# KiCad board RCUP_BASE_PCB_2.kicad_pcb (continued)
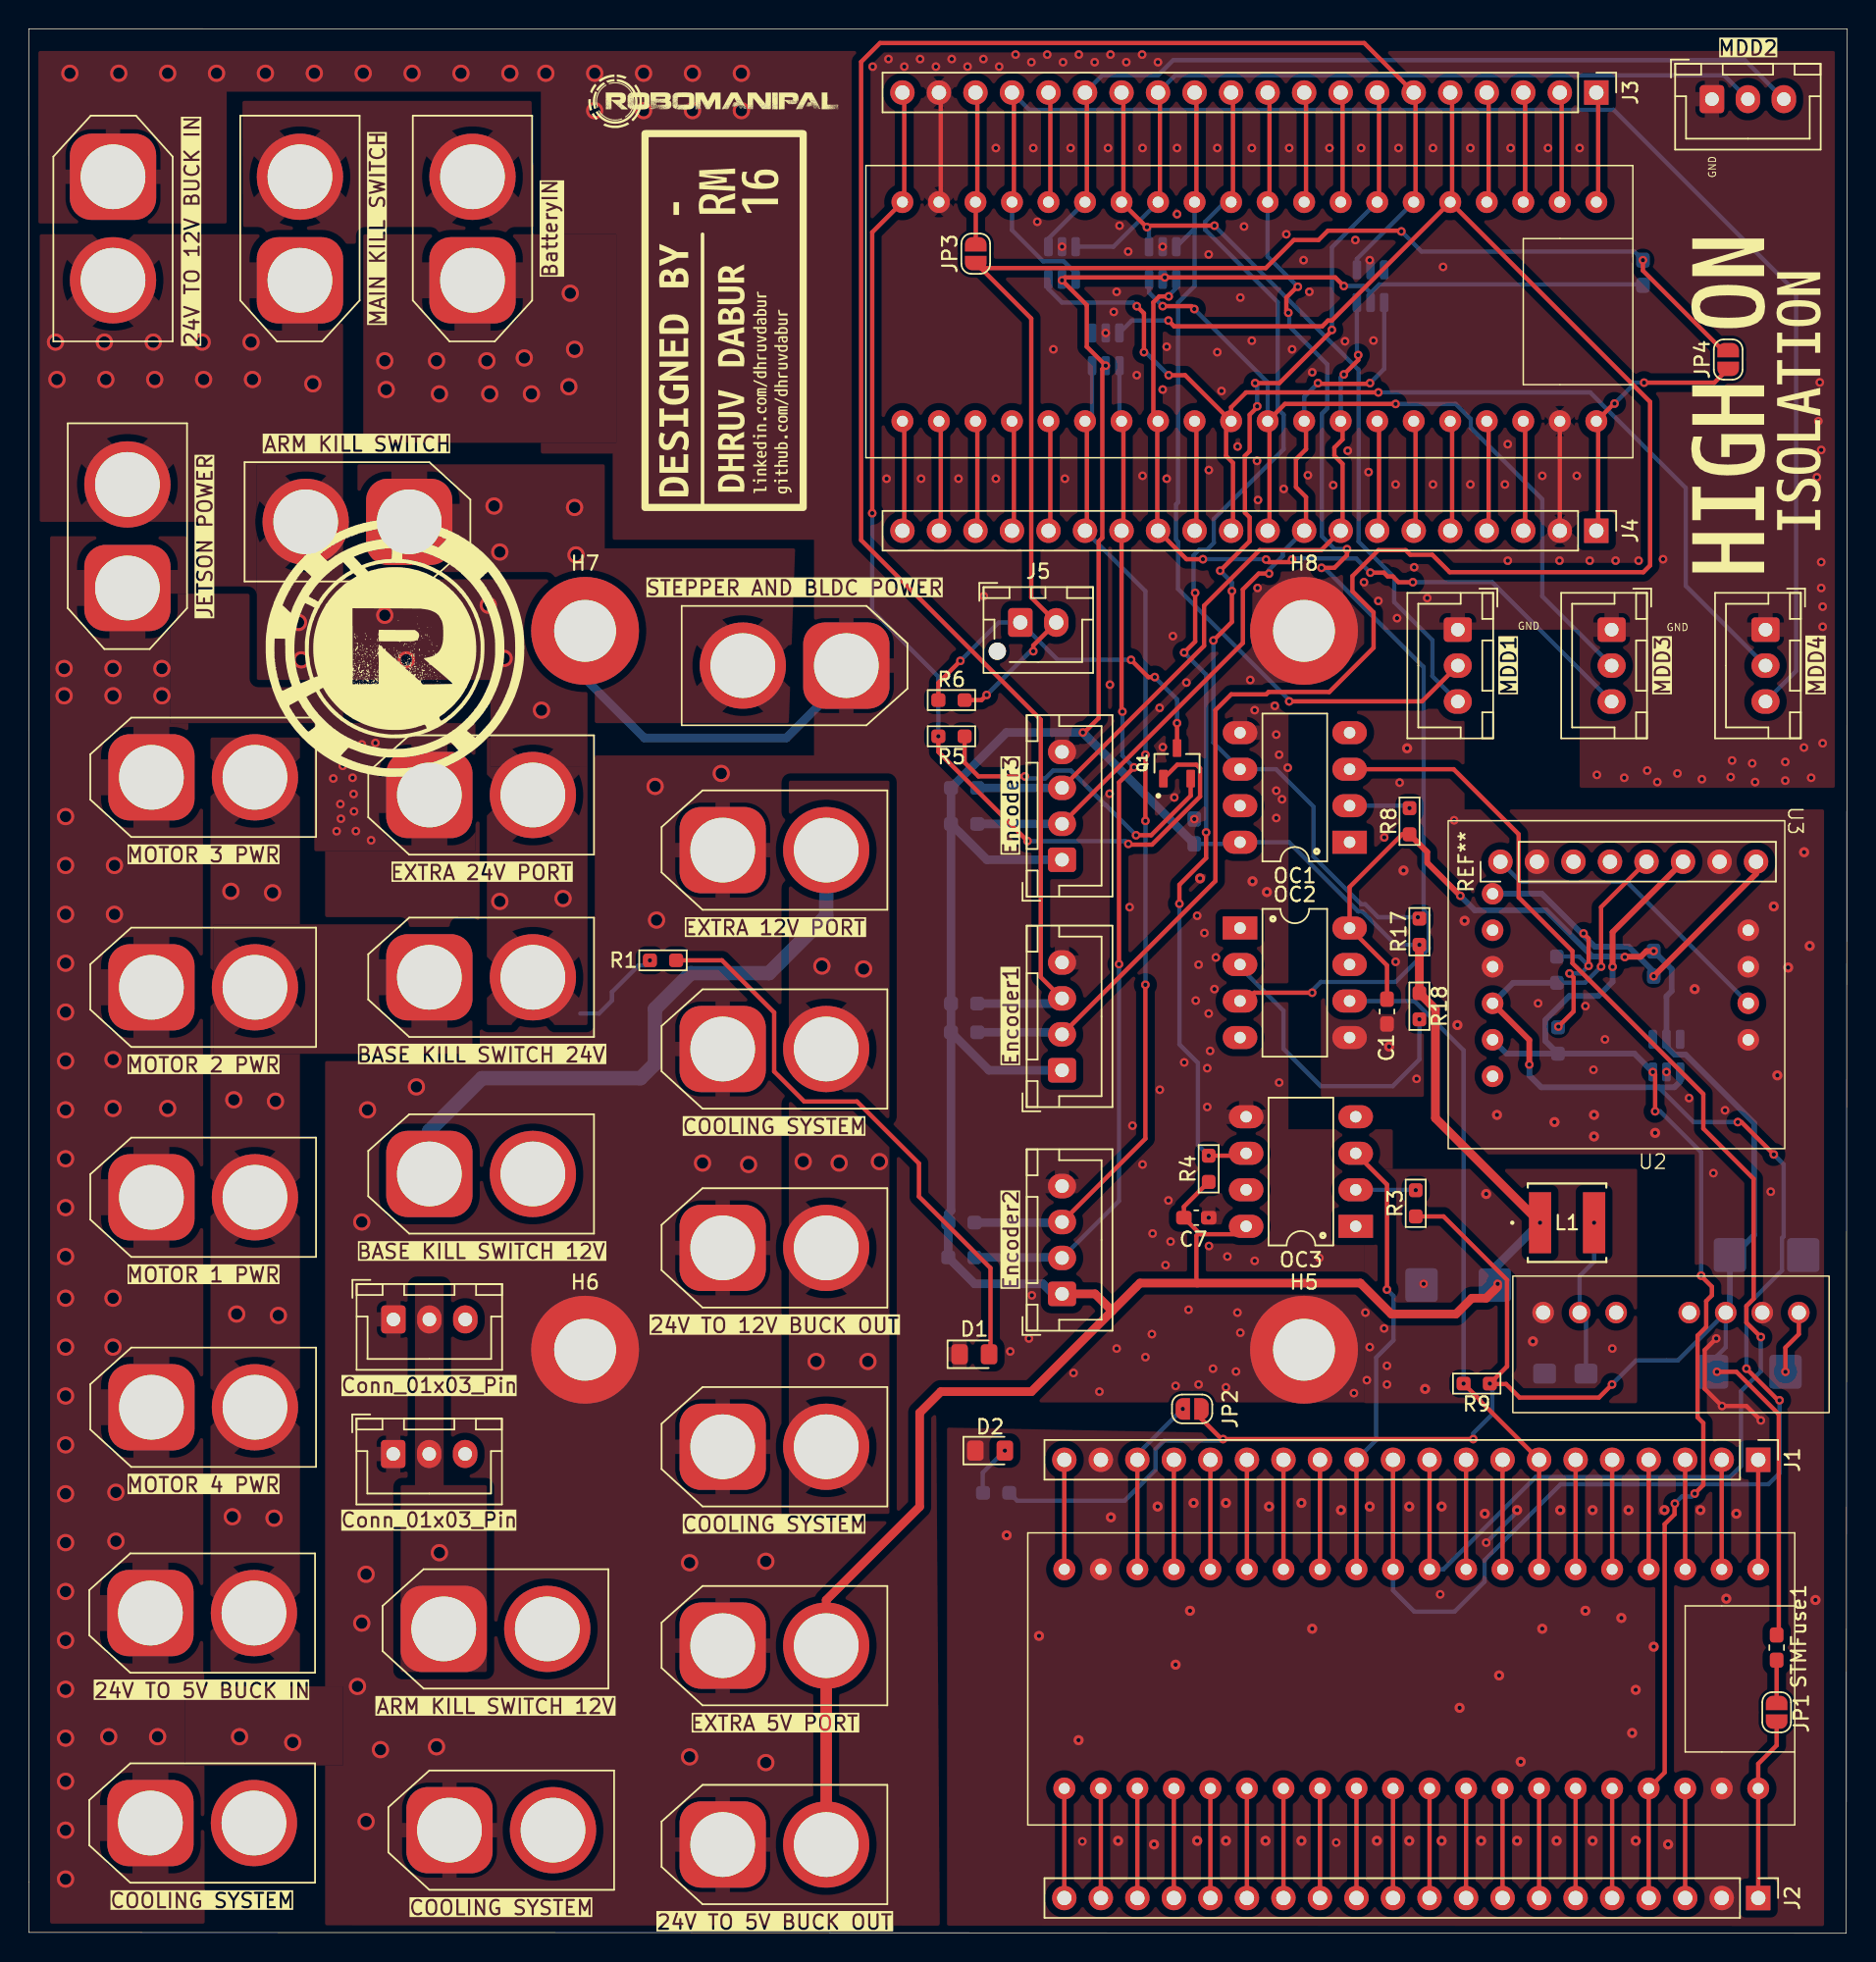
[diagram p0: board, top side]
## Nets
3.3V_STM_1: J2.3 MotorController1.3
3.3V_STM_2: J3.20 MotorController2.40 Q1.1 R5.2
5V: C2.1 C4.1 C7.1 Encoder1.1 Encoder2.1 Encoder3.1 J21.P J28.P L1.1 OC1.8 OC3.8 R4.1 R11.2 R12.2 R13.2 R14.2 R15.2 R16.2 R17.1 R18.1 STMFuse2.1 U5.5 U6.5 U7.5 U8.5
5V_ISO: BNO1.2 C1.1 C3.1 C6.2 JP2.1 OC2.8 R2.1 R3.1 R8.1 R9.1 STMFuse1.2 U2.5 U4.5
5V_ISO_BNO: BNO1.1 R19.2 R20.2 REF**.8 U3.1
5V_ISO_FUSE_OUT: JP1.2 STMFuse1.1
5V_NON_ISO_FUSE_OUT: J5.2 JP3.1 JP4.2 R6.2 STMFuse2.2
12V: J16.P J19.P J20.P J22.P J23.P J25.P J26.P
12V_ARM: J23.N J30.2 J31.2
12V_BASE: J16.N J27.P
24V: J9.P J10.N J17.P J18.P J24.P J29.P R1.1
24V_ARM: J8.P J24.N
24V_BASE: J6.P J7.P J13.P J14.P J15.P J17.N
24V_BATTERY: J10.P J11.P
GND: C2.2 C4.2 C5.2 C7.2 D1.1 Encoder1.4 Encoder2.4 Encoder3.4 H5.1 H6.1 H7.1 H8.1 J3.19 J4.2 J6.N J7.N J8.N J9.N J11.N J13.N J14.N J15.N J18.N J19.N J20.N J21.N J22.N J25.N J26.N J27.N J28.N J29.N J30.1 J31.1 MDD1.1 MDD2.1 MDD3.1 MDD4.1 MotorController2.2 MotorController2.39 OC1.5 OC3.5 U2.1 U5.2 U6.2 U7.2 U8.2
GND1: C1.2 C3.2 D2.1 J1.19 J2.2 MotorController1.2 MotorController1.39 OC2.5 REF**.2 REF**.7 U2.6 U3.3 U3.7 U3.8 U3.10 U4.2
BNO_SCL: J2.4 MotorController1.4 R20.1 REF**.6 U3.5 U4.3
BNO_SDA: J1.11 MotorController1.31 R19.1 REF**.5 U3.4 U4.1
ENC1A: Encoder1.2 J3.5 MotorController2.25 R11.1 U6.3
ENC1B: Encoder1.3 J3.6 MotorController2.26 R12.1 U5.1
ENC2A: Encoder2.2 J4.14 MotorController2.14 R14.1 U6.4
ENC2B: Encoder2.3 J4.15 MotorController2.15 R13.1 U6.6
ENC3A: Encoder3.2 J4.9 MotorController2.9 R15.1 U5.4
ENC3B: Encoder3.3 J4.8 MotorController2.8 R16.1 U5.6
M1DIR: J3.12 MDD1.2 MotorController2.32 U8.3
M1PWM: J3.14 MDD1.3 MotorController2.34 U8.1
M2DIR: J3.13 MDD2.2 MotorController2.33 U7.3
M2PWM: J3.15 MDD2.3 MotorController2.35 U7.1
M3DIR: J4.10 MDD3.2 MotorController2.10 U8.6
M3PWM: J4.13 MDD3.3 MotorController2.13 U8.4
M4DIR: J4.11 MDD4.2 MotorController2.11 U7.6
M4PWM: J3.17 MDD4.3 MotorController2.37 U7.4
SOFT_KILL: Q1.2 R5.1
STM1_RX: J1.7 MotorController1.27 OC2.6 R9.2
STM1_TX: J1.10 MotorController1.30 OC1.3
STM2_RX: J3.7 MotorController2.27 OC1.6 R17.2
STM2_TX: J3.10 MotorController2.30 OC2.3
SYNC_CLK_IN: J3.11 MotorController2.31 OC3.6 R4.2
SYNC_CLK_OUT: J1.12 MotorController1.32 OC3.3
x: REF**.4
x1: REF**.3
Net-(D1-A): D1.2 R1.2
Net-(D2-A): D2.2 R2.2
Net-(J1-Pin_18): J1.18 JP2.2 MotorController1.38
Net-(J2-Pin_1): J2.1 JP1.1 MotorController1.1
Net-(J3-Pin_18): J3.18 JP3.2 MotorController2.38
Net-(J4-Pin_1): J4.1 JP4.1 MotorController2.1
Net-(J5-Pin_1): J5.1 Q1.3 R6.1
Net-(OC1-Pad2): OC1.2 R8.2
Net-(OC2-Pad2): OC2.2 R18.2
Net-(OC3-Pad2): OC3.2 R3.2
Net-(U2-+vin): C5.1 L1.2 U2.2
Net-(U2-Cs): C6.1 U2.7

Pads without a net: J1 1 2 3 4 5 6 8 9 13 14 15 16 17 20; J2 5 6 7 8 9 10 11 12 13 14 15 16 17 18 19 20; J3 1 2 3 4 8 9 16; J4 3 4 5 6 7 12 16 17 18 19 20; J30 3; J31 3; MotorController1 5 6 7 8 9 10 11 12 13 14 15 16 17 18 19 20 21 22 23 24 25 26 28 29 33 34 35 36 37 40; MotorController2 3 4 5 6 7 12 16 17 18 19 20 21 22 23 24 28 29 36; OC1 1 4 7; OC2 1 4 7; OC3 1 4 7; REF** 1; U2 3 4; U3 2 6 9; U4 4 6; U5 3; U6 1

## Via types
v1: diameter 0.6, hole 0.3, Top to Bottom, 332 vias
v2: diameter 0.7, hole 0.3, Top to Bottom, 72 vias
v3: diameter 1.2, hole 0.8, Top to Bottom, 130 vias

## Routing (per net, layer and track width the routed paths; a pad name or vN(x,y) marks a point on that pad's centre or on a via; arc(x,y) is an arc through that point)
3.3V_STM_1: length 7.6
  Top w0.3: MotorController1.3 J2.3
3.3V_STM_2: length 75.9
  Top w0.3: v1(63.26,83.25) 63.26,82.17 v1(69.46,75.97) ; Q1.1 79.88,81.28 81.21,81.28 81.46,81.03 81.46,79.06 78.12,75.72 76.53,75.72 v1(76.47,75.77) ; 60.89,120.66 60.89,128.28 ; MotorController2.40 58.66,118.31 v1(58.66,98.77)
  Bottom w0.3: v1(58.66,98.77) 58.66,91.99 63.26,87.39 v1(63.26,83.25) ; v1(69.46,75.97) 69.47,75.96 76.28,75.96 v1(76.47,75.77)
5V: length 297.5
  Top w0.3: v1(91.46,114.57) 90.86,115.17 v1(79.01,115.17) 72.06,115.17 v1(71.86,114.97) 73.58,113.25 73.58,110.35 v1(74.9,109.03) 74.66,108.79 74.66,97.05 74.41,96.8 74.41,84.52 73.46,83.57 73.37,83.57 v1(73.31,83.52) ; R4.1 80.34,50.53 C7.1 81.4,48.71 ; OC3.8 84.12,48.62 81.48,48.62 81.4,48.71 ; 81.4,48.71 81.21,48.52 81.21,45.27 81.26,45.22 ; 102.16,44.97 v1(102.16,45.17)
  Top w0.6: 75.35,43.28 74.16,44.47 Encoder2.1 ; 75.35,43.28 69.73,37.67 63.43,37.67 61.96,36.2 61.96,29.67 55.46,23.17 J28.P ; 75.35,43.28 77.28,45.22 92.61,45.22 94.76,43.07 99.26,43.07 100.36,44.17 101.36,44.17 102.16,44.97 ; v1(105.11,49.42) 97.83,56.7 97.83,64.28 R18.1 v1(96.71,68.75)
  Top w0.8: J21.P J28.P
  Bottom w0.3: v1(79.01,115.17) 79,115.17 ; 112.05,114.68 93.92,114.68 93.32,114.08 ; 93.32,114.08 92.83,114.57 v1(91.46,114.57) ; 93.32,114.08 U5.5 ; C4.1 83.35,75.77 83.47,75.88 OC1.8 87.65,75.88 92.46,71.07 92.74,71.07 95.06,68.75 v1(96.71,68.75) ; 84.07,75.88 84.06,75.87
  Bottom w0.6: R15.2 R16.2 67.99,83.52 v1(73.31,83.52) C4.1 ; R15.2 R12.2 R11.2 ; R15.2 66.63,74.67 Encoder3.1 ; Encoder1.1 66.78,60.02 R11.2 ; R11.2 64.14,50.25 63.95,50.06 R13.2 R14.2 65.78,45.17 70.53,45.17 71.53,44.17 71.86,44.17 ; 102.11,45.17 102.11,46.42 v1(105.11,49.42)
5V_ISO: length 168.3
  Top w0.3: C1.1 94.46,67.32 OC2.8 91.86,72.77 95.52,76.43 R8.1 ; v1(117.41,39.05) 118.76,39.05 121.71,36.1 121.71,20.9 STMFuse1.2 ; JP2.1 81.56,35.77 82.96,34.37 v1(100.46,34.37) ; R3.1 98.39,49.86 102.81,45.44 102.81,39.43 v1(101.61,38.23) 101.64,38.2 102.74,38.2 103.69,37.26 109.2,37.26 v1(110.11,38.17)
  Top w0.4: R8.1 97.26,75.2 97.26,74.46 v1(99.56,72.16) ; v1(113.01,68.31) 112.5,68.31 112.11,67.92 111.02,67.92 v1(111,67.9)
  Bottom w0.3: v1(100.46,34.37) 100.46,34.77 101.79,36.1 101.79,37.77 101.61,37.95 v1(101.61,38.23) ; v1(110.11,38.17) 111.78,39.84 114.69,39.84 U2.5 118.02,40.76 117.41,40.15 v1(117.41,39.05) ; v1(83.06,34.37) 82.96,34.27 78.97,34.27 78.37,33.67 78.37,32.24 76.21,30.08 68.74,30.08 R2.1
  Bottom w0.4: v1(111,67.9) 110.96,67.93 108.75,67.93 105.53,71.15 100.57,71.15 v1(99.56,72.16) ; U2.5 118.31,43.46 C3.1 118.6,47.17 120,48.57 120,56.35 115.23,61.11 114.47,61.11 113.9,61.68 U4.5 113.9,65.17 114.26,65.53 114.26,67.06 v1(113.01,68.31)
5V_ISO_BNO: length 35.4
  Top w0.3: v1(106.38,63.06) 107.44,64.12 107.44,66.47 v1(107.15,66.76) ; v1(108.48,67.29) 108.48,69.19 v1(108.13,69.54)
  Top w0.4: v1(113.01,66.56) 120.13,73.68 REF**.8
  Bottom w0.3: R20.2 106.35,63.03 v1(106.38,63.06) ; 106.28,67.93 107.84,67.93 v1(108.48,67.29) 107.96,66.76 v1(107.15,66.76)
  Bottom w0.4: v1(113.01,66.56) 113.01,66.88 111.27,68.62 108.91,68.62 105.23,72.3 U3.1
5V_ISO_FUSE_OUT: length 3
  Top w0.3: STMFuse1.1 JP1.2
5V_NON_ISO_FUSE_OUT: length 93.6
  Top w0.3: v1(69.86,89.17) 69.86,89.57 J5.2 69.72,92.91 69.72,112.31 JP3.1 66.21,115.82 86.03,115.82 87.98,117.77 89.7,117.77 90.35,118.42 95.41,118.42 v1(95.46,118.37) ; JP4.2 117.8,110.11 112.26,115.64 v1(112.26,116.37) ; v1(66.62,86.13) 66.26,85.77 R6.2
  Bottom w0.3: v1(69.86,89.17) 69.66,89.17 v1(66.62,86.13) ; v1(112.26,116.37) 111.66,116.97 96.86,116.97 v1(95.46,118.37)
12V: length 0.4
  Bottom w2: 55.09,47.67 J22.P
  vias: v3(53.86,53.67) v3(54.76,39.77) v3(55.16,67.27) v3(56.36,53.57) v3(58.06,67.07) v3(58.36,39.77) v3(59.16,53.67)
12V_ARM:
  vias: v3(28.56,26.47)
12V_BASE: length 43.6
  Bottom w1: J16.N 27.86,55.81 31.52,59.47 42.55,59.47 43.55,60.47 43.55,64.29 46.04,66.78 51.49,66.78 55.46,70.75 J27.P
24V: length 6.7
  Bottom w0.3: 38.36,63.97 39.66,63.97 40.56,64.87 40.56,65.47 42.41,67.32 42.85,67.32 v1(43.2,67.67)
  vias: v3(1.86,110.67) v3(1.96,108.07) v3(5.26,110.67) v3(5.36,108.07) v3(8.66,110.67) v3(8.76,108.07) v3(12.06,110.67) v3(12.16,108.07) v3(15.46,110.67) v3(15.56,108.07) v3(18.76,91.17) v3(18.96,88.57) v3(19.76,107.77) v3(24.76,91.67) v3(26.26,88.57) v3(31.96,92.37) v3(32.76,71.77) v3(33.06,88.67) v3(35.66,85.07) v3(37.16,71.97)
24V_ARM:
  vias: v3(32.36,99.27) v3(32.76,96.07) v3(37.96,99.17) v3(38.06,95.87)
24V_BASE:
  vias: v3(14.06,72.47) v3(14.16,28.97) v3(14.26,57.97) v3(14.46,43.07) v3(16.96,72.37) v3(17.06,28.87) v3(17.16,57.87) v3(17.36,42.97)
GND: length 41
  Top w0.3: J4.2 MotorController2.2 ; 63.43,120.66 63.43,128.28
  Bottom w0.6: J8.N 56.86,87.31 52.69,83.14 42.81,83.14 38.69,87.26 H7.1
  vias: v1(20.95,83.28) v1(21.14,82.38) v1(21.18,80.32) v1(21.41,76.65) v1(21.67,78.54) v1(21.71,77.52) v1(21.84,81.2) v1(22.25,82.72) v1(22.52,80.37) v1(22.59,79.24) v1(22.62,78.03) v1(22.75,76.66) v1(23.16,82.69) v1(23.81,76.02) v1(24.11,82.79) v1(58.69,129.83) v1(59.66,101.17) v1(59.79,130.36) v1(60.89,129.83) v1(61.99,130.36) v1(62.06,101.17) v1(63.09,129.83) v1(64.19,130.36) v1(64.66,101.17) v1(65.29,129.83) v1(66.39,130.36) v1(66.42,93) v1(67.26,124.17) v1(67.26,101.17) v1(67.49,129.83) v1(68.26,40.47) v1(68.63,130.67) v1(69.56,41.37) v1(69.73,130.14) v1(69.76,44.37) v1(69.86,124.17) v1(70.14,119.04) v1(70.83,130.67) v1(71.26,110.17) v1(71.86,117.31) v1(71.93,130.14) v1(72.06,101.17) v1(72.46,124.17) v1(72.66,38.97) v1(73.03,130.67) v1(74.13,130.14) v1(74.46,37.67) v1(74.9,111.31) v1(75.06,124.17) v1(75.19,86.84) v1(75.17,79.26) v1(75.23,130.67) v1(75.46,112.77) v1(75.66,114.17) v1(75.66,40.67) v1(75.86,118.77) v1(76.33,130.14) v1(76.46,116.97) v1(76.56,71.37) v1(76.76,56.17) v1(77.06,108.37) v1(77.43,130.67) v1(77.46,124.17) v1(77.46,101.37) v1(77.46,53.47) v1(77.66,40.07) v1(78.11,41.67) v1(78.16,48.67) v1(78.53,130.14) v1(78.65,85.23) v1(78.66,58.67) v1(78.86,117.31) v1(78.86,107.37) v1(78.87,82.5) v1(79.06,46.47) v1(79.14,110.35) v1(79.14,101.17) v1(79.26,50.97) v1(79.41,48.11) v1(79.57,90.22) v1(79.67,79) v1(79.76,38.07) v1(79.86,124.17) v1(79.86,119.57) v1(80.36,60.57) v1(80.51,86.99) v1(80.66,43.37) v1(81.06,77.49) v1(81.16,64.87) v1(81.26,70.77) v1(81.36,67.37) v1(81.36,38.17) v1(81.76,69.57) v1(81.96,60.17) v1(81.96,57.47) v1(82.06,116.77) v1(82.07,101.77) v1(82.06,63.97) v1(82.06,49.77) v1(82.08,47.8) v1(82.16,61.37) v1(82.36,39.27) v1(82.46,65.67) v1(82.56,67.87) v1(82.66,124.17) v1(82.66,109.97) v1(82.95,107.27) v1(83.26,37.97) v1(83.36,47.07) v1(83.96,39.07) v1(84.07,103.41) v1(84.06,43.17) v1(84.26,113.77) v1(84.26,41.77) v1(84.52,118.71) v1(84.95,87.17) v1(85.06,124.17) v1(85.06,110.77) v1(85.26,85.07) v1(85.26,46.77) v1(85.42,102.41) v1(85.49,99.69) v1(85.46,93.57) v1(86.66,85.37) v1(86.76,83.37) v1(86.76,79.47) v1(86.76,77.57) v1(86.96,81.97) v1(86.96,59.17) v1(87.16,78.87) v1(87.28,100.46) v1(87.46,118.17) v1(87.56,81.07) v1(87.66,124.17) v1(87.86,110.17) v1(88.66,116.37) v1(88.96,101.41) v1(89.06,114.17) v1(89.26,108.57) v1(89.76,46.97) v1(90.46,124.17) v1(90.72,100.72) v1(91.54,110.73) v1(91.73,103.12) v1(92.16,37.57) v1(92.26,117.77) v1(92.66,124.17) v1(92.86,93.97) v1(92.96,43.17) v1(93.06,38.47) v1(93.18,101.63) v1(93.26,116.37) v1(93.26,40.77) v1(93.52,110.78) v1(93.86,92.67) v1(94.26,42.07) v1(94.46,39.47) v1(94.46,38.17) v1(95.06,100.77) v1(95.16,91.47) v1(95.26,124.17) v1(96.35,95.01) v1(97.01,45.17) v1(97.26,92.87) v1(97.66,124.17) v1(97.66,100.77) v1(98.36,115.9) v1(100.26,124.17) v1(100.26,100.77) v1(102.66,100.77) v1(102.86,103.57) v1(102.86,95.47) v1(103.06,124.17) v1(105.26,101.37) v1(105.66,124.17) v1(106.46,95.47) v1(107.66,101.37) v1(107.86,124.17) v1(108.56,95.47) v1(109.06,80.57) v1(110.13,40.67) v1(110.36,95.47) v1(110.96,80.37) v1(111.96,95.47) v1(112.56,80.87) v1(113.26,80.07) v1(113.66,95.57) v1(114.66,80.67) v1(116.36,80.27) v1(118.36,80.42) v1(118.46,81.57) v1(119.86,81.37) v1(120.06,80.07) v1(122.16,81.47) v1(122.16,80.17) v1(123.46,82.47) v1(123.96,80.37) v1(124.36,101.27) v1(124.46,105.17) v1(124.56,107.87) v1(124.66,103.17) v1(124.66,95.37) v1(124.66,93.57) v1(124.76,92.27) v1(124.76,90.87) v1(124.76,82.77) v2(81.46,73.37) v2(85.11,73.17) v2(86.11,72.42) v2(97.11,37.86) v2(101.36,51.42) v2(104.61,41.17) v3(2.46,87.97) v3(2.46,86.07) v3(2.56,77.67) v3(2.56,74.27) v3(2.56,70.87) v3(2.56,67.47) v3(2.56,64.07) v3(2.56,60.67) v3(2.56,57.27) v3(2.56,53.87) v3(2.56,50.47) v3(2.56,47.07) v3(2.56,44.17) v3(2.56,40.77) v3(2.56,37.37) v3(2.56,33.97) v3(2.56,30.57) v3(2.56,27.17) v3(2.56,23.77) v3(2.56,20.37) v3(2.56,16.97) v3(2.56,13.57) v3(2.56,10.57) v3(2.56,7.17) v3(2.56,3.77) v3(2.86,129.37) v3(5.56,13.67) v3(5.86,87.97) v3(5.86,86.07) v3(5.86,60.77) v3(5.86,57.37) v3(5.86,44.17) v3(5.86,40.77) v3(5.96,74.27) v3(5.96,70.87) v3(6.06,30.67) v3(6.06,27.27) v3(6.26,129.37) v3(8.96,13.67) v3(9.26,87.97) v3(9.26,86.07) v3(9.66,129.37) v3(9.66,57.37) v3(13.06,129.37) v3(14.66,13.67) v3(16.46,129.37) v3(18.36,13.27) v3(19.86,129.37) v3(22.86,17.17) v3(23.16,49.47) v3(23.16,21.57) v3(23.26,129.37) v3(23.46,24.97) v3(23.46,7.77) v3(23.56,57.27) v3(24.46,12.77) v3(24.76,109.37) v3(24.86,107.37) v3(26.66,129.37) v3(26.96,58.87) v3(28.36,109.37) v3(28.36,12.97) v3(28.56,107.07) v3(30.06,129.37) v3(31.86,109.37) v3(32.06,107.07) v3(33.46,129.37) v3(34.46,109.57) v3(34.96,107.07) v3(35.96,129.37) v3(37.56,107.57) v3(37.66,114.07) v3(37.96,110.17) v3(39.36,129.37) v3(39.36,126.77) v3(42.76,129.37) v3(42.76,126.77) v3(43.56,79.77) v3(43.66,70.47) v3(45.96,25.77) v3(45.96,12.27) v3(46.16,129.37) v3(46.16,126.77) v3(46.86,53.57) v3(48.16,80.67) v3(49.56,129.37) v3(49.56,126.77) v3(50.06,53.47) v3(51.26,25.87) v3(51.26,11.87)
GND1: length 12.1
  Top w0.3: v1(120.46,35.67) 119.46,36.67 v1(117.76,36.67) 116.56,37.87 116.56,40.57 v1(117.36,41.37)
  Bottom w0.3: v2(103.51,29.43) 103.51,29.32 v1(101.36,27.17) ; 91.65,62.09 OC2.5
  vias: v1(73.27,6.39) v1(90.93,6.31) v1(94.27,76.22) v1(95.06,67.57) v1(95.34,80.03) v1(96.52,59.43) v1(98.16,23.57) v1(99.13,77.41) v1(104.97,64.68) v1(108.26,64.49) v1(108.82,60.06) v1(109.62,62.17) v1(113.9,59.9) v1(115.47,58.09) v1(117.16,52.87) v1(117.97,57.24) v1(121.15,51.58) v2(68.01,27.68) v2(70.26,20.68) v2(73.01,13.43) v2(75.26,28.93) v2(75.76,6.43) v2(78.26,6.18) v2(78.51,29.68) v2(79.76,18.68) v2(80.76,22.43) v2(81.01,29.93) v2(81.26,6.43) v2(83.26,29.93) v2(83.26,6.43) v2(86.01,6.43) v2(86.26,29.68) v2(88.51,29.93) v2(88.51,6.43) v2(89.26,21.18) v2(91.26,29.43) v2(93.26,29.68) v2(93.76,6.43) v2(94.61,61.67) v2(95.61,73.92) v2(95.86,82.42) v2(96.01,29.68) v2(96.01,6.43) v2(98.26,29.68) v2(98.26,6.43) v2(99.36,63.17) v2(99.51,15.68) v2(99.86,70.42) v2(101.01,6.43) v2(101.26,29.18) v2(102.11,56.92) v2(102.26,17.93) v2(103.51,6.43) v2(103.76,11.93) v2(105.26,21.18) v2(106.11,56.42) v2(106.26,6.43) v2(106.51,29.43) v2(108.26,22.43) v2(108.76,29.43) v2(108.76,6.43) v2(108.86,56.92) v2(108.86,55.42) v2(110.76,21.93) v2(111.26,29.43) v2(111.51,13.93) v2(111.76,16.93) v2(111.76,6.43) v2(113.11,55.67) v2(113.01,19.93) v2(113.76,29.43) v2(114.01,6.18) v2(115.86,65.67) v2(116.26,29.43) v2(118.06,23.27) v2(118.76,29.18) v2(121.36,71.42) v2(121.61,59.67) v2(122.36,67.17) v2(123.47,75.19) v2(123.86,68.67) v2(124.26,23.18)
BNO_SCL: length 92.8
  Top w0.3: J2.4 MotorController1.4 113.77,11.18 113.77,28.45 114.46,29.14 114.46,29.86 v1(114.48,29.88) ; v1(113.11,57.17) 113.11,59.74 v1(112.95,59.9) ; v1(115.86,30.58) 116.46,31.18 116.46,35.49 116.06,35.89 116.06,41.57 116.66,42.17 116.66,43.97 117.06,44.37 117.06,44.97 116.31,45.72 v1(116.31,45.74)
  Top w0.4: v1(110.15,67.22) 110.15,69.63 REF**.6
  Bottom w0.3: v1(115.86,30.58) 115.65,30.37 114.97,30.37 v1(114.48,29.88) ; v1(113.11,57.17) 113.46,57.17 116.31,54.32 v1(116.31,45.74)
  Bottom w0.4: U3.5 102.77,61.18 R20.1 ; R20.1 111.67,61.18 v1(112.95,59.9) ; R20.1 105.48,62.06 105.48,63.53 107.14,65.19 109.16,65.19 110.15,66.18 v1(110.15,67.22)
BNO_SDA: length 110.8
  Top w0.3: v1(121.76,37.07) 121.66,37.07 v1(119.46,39.27) ; v1(118.86,56.42) 119.11,56.42 v1(121.36,54.17) ; REF**.5 109.35,71.37 v1(109.35,67.23) ; J1.11 MotorController1.31
  Top w0.4: U3.4 104.36,62.13 v1(104.36,60.42)
  Bottom w0.3: v1(121.76,37.07) 121.76,32.01 120.98,31.23 106.53,31.23 101.25,25.95 101.25,24.46 99.16,22.37 96.36,22.37 94.88,23.85 MotorController1.31 ; v1(119.46,39.27) 119.46,43.63 121.93,46.1 121.93,48.35 122.05,48.47 122.05,53.48 v1(121.36,54.17) ; v1(109.35,67.23) 108.23,66.11 R19.1 ; 113.36,58.84 115.78,56.42 v1(118.86,56.42)
  Bottom w0.4: v1(104.36,60.42) 104.36,59.67 105.19,58.84 114.45,58.84 114.85,59.24 U4.1 ; R19.1 103.23,66.11 U3.4
ENC1A: length 139.4
  Top w0.3: v1(79.26,112.17) 79.66,111.77 89.96,111.77 90.36,112.17 90.62,112.17 MotorController2.25 112.76,106.51 112.76,95.14 112.29,94.67 98.82,94.67 97.61,95.88 96.08,95.88 95.76,96.2 93.86,96.2 92.06,94.4 92.06,93.34 93.53,91.87 93.53,89.41 90.45,86.33 86.22,86.33 86.06,86.17 83.63,86.17 82.53,85.07 82.53,73.19 Encoder1.2 ; 98.99,128.28 98.99,120.66
  Bottom w0.3: U6.3 76.71,112.17 v1(79.26,112.17)
  Bottom w0.6: Encoder1.2 71.72,62.67 R11.1
ENC1B: length 131.3
  Top w0.3: Encoder1.3 70.38,66.5 70.38,84.41 57.89,96.9 57.89,130.16 59.2,131.47 92.88,131.47 J3.6 ; 96.45,128.28 96.45,120.66
  Bottom w0.3: MotorController2.26 92.37,116.46 U5.1
  Bottom w0.6: Encoder1.3 71.5,64.67 R12.1
ENC2A: length 70.7
  Top w0.3: v1(76.06,84.97) 76,85.03 J4.14 ; v1(75.82,67.41) 75.82,80.05 v1(76.87,81.09) ; 76.13,97.8 76.13,105.42
  Bottom w0.3: v1(76.06,84.97) 76.06,81.9 v1(76.87,81.09) ; v1(75.82,67.41) 75.82,50.93 Encoder2.2 ; MotorController2.14 75.85,105.32 U6.4
  Bottom w0.6: Encoder2.2 71.82,47.01 R14.1
ENC2B: length 70.1
  Top w0.3: Encoder2.3 77.66,55.27 v1(77.66,65.97) ; 73.59,97.8 73.59,105.42 ; v1(77.66,77.37) v1(77.66,81.97)
  Bottom w0.3: 73.59,105.5 73.59,105.42 ; v1(77.66,81.97) 77.66,93.35 J4.15 ; MotorController2.15 73.95,105.66 U6.6 ; v1(77.66,65.97) v1(77.66,77.37)
  Bottom w0.6: R13.1 71.82,49.43 Encoder2.3
ENC3A: length 55
  Top w0.3: v1(89.66,107.82) 89.71,107.77 93.23,107.77 v1(93.28,107.82) ; 88.83,105.42 88.83,103.22 88.13,102.52 88.13,100.59 88.83,99.89 88.83,97.7 ; Encoder3.2 84.44,89.74 84.44,93.47 85.54,94.57 v1(86.26,94.57)
  Bottom w0.3: U5.4 94.27,108.81 v1(93.28,107.82) ; v1(89.66,107.82) 88.7,106.86 MotorController2.9 ; v1(86.26,94.57) 86.26,94.84 87.21,95.79 87.21,96.06 J4.9
  Bottom w0.6: R15.1 71.85,77.16 Encoder3.2 ; 88.46,97.31 J4.9
ENC3B: length 51.2
  Top w0.3: v1(91.46,108.42) 92.46,109.42 v1(92.46,109.77) ; 91.37,97.8 91.37,102.2 90.8,102.77 90.8,103.33 91.37,103.9 91.37,105.42 ; Encoder3.3 81.74,89.54 81.74,92.34 85.6,96.2 89.89,96.2 J4.8
  Bottom w0.3: v1(91.46,108.42) 91.24,108.2 MotorController2.8 ; v1(92.46,109.77) 92.37,109.86 U5.6
  Bottom w0.6: R16.1 Encoder3.3
M1DIR: length 60.9
  Top w0.3: 87.67,85.67 v1(87.66,85.68) 96.9,85.68 MDD1.2 ; 81.21,128.28 81.21,120.66
  Bottom w0.3: 81.08,118.77 81.08,114.57 79.93,113.42 79.93,99.52 79.79,99.38 79.79,96.92 79.93,96.78 79.93,93.5 87.66,85.77 v1(87.66,85.68) ; 81.08,118.77 81.08,118.58 U8.3 ; 81.08,118.77 MotorController2.32
M1PWM: length 56.4
  Top w0.3: 76.13,128.28 76.13,120.66 ; MotorController2.34 77.64,118.77 v1(82.46,118.77)
  Bottom w0.3: MDD1.3 97.62,87.43 97.62,89.93 94.96,92.59 94.96,94.32 92.49,96.79 92.49,108.74 v1(82.46,118.77) ; U8.1 77.91,118.52 v1(77.77,118.66) 77.66,118.77
M2DIR: length 56.8
  Top w0.3: 78.67,128.28 78.67,120.66
  Bottom w0.3: J3.13 79.74,129.23 117.9,129.23 MDD2.2 ; U7.3 75.44,117.31 MotorController2.33
M2PWM: length 62.4
  Top w0.3: 73.59,128.28 73.59,120.66
  Bottom w0.3: J3.15 74.66,129.23 78.54,129.23 79.59,130.28 119.35,130.28 MDD2.3 ; U7.1 70.91,117.86 MotorController2.35
M3DIR: length 58.3
  Top w0.3: v1(78.86,113.17) 80.86,113.17 v1(81.06,112.97) ; MotorController2.10 87.36,106.37 v1(95.06,106.37) ; 86.29,97.8 86.29,105.42
  Bottom w0.3: v1(78.86,113.17) 77.91,114.12 U8.6 ; v1(95.06,106.37) 99.23,106.37 100.29,105.32 100.29,104.71 105.26,99.74 105.26,92.99 MDD3.2 ; v1(81.06,112.97) 86.16,107.87 MotorController2.10
M3PWM: length 55.5
  Top w0.3: v1(93.3,94.64) 94.24,94.64 94.51,94.37 94.86,94.37 95.26,93.97 v1(96.26,93.97) ; MotorController2.13 78.21,105.5 78.21,113.44 78.62,113.85 v1(79.28,113.85) ; v1(81.66,95.57) 80.52,95.57 J4.13 ; 78.67,97.8 78.49,97.98 78.49,105.24 78.67,105.42 ; v1(86.05,95.55) 86.23,95.37 87.68,95.37 v1(87.86,95.55)
  Bottom w0.3: v1(87.86,95.55) 87.93,95.62 92.32,95.62 v1(93.3,94.64) ; v1(86.05,95.55) 86.03,95.57 v1(81.66,95.57) ; v1(79.28,113.85) 79.28,113.91 79.81,114.44 U8.4 ; v1(96.26,93.97) 101.79,93.97 MDD3.3
M4DIR: length 77.2
  Top w0.3: v1(93.86,107.17) 84.66,107.17 83.62,106.13 MotorController2.11 80.42,108.37 v1(79.28,108.37) ; 83.75,105.42 83.27,104.94 83.27,102.75 83.75,102.27 83.75,97.8 ; v1(77.06,113.17) 77.56,112.67 v1(77.56,109.97)
  Bottom w0.3: v1(93.86,107.17) 108.59,107.17 115.24,100.53 115.24,93.72 MDD4.2 ; U7.6 70.91,114.37 71.86,113.42 76.81,113.42 v1(77.06,113.17) ; v1(79.28,108.37) 77.68,109.97 v1(77.56,109.97)
M4PWM: length 105.3
  Top w0.3: 68.51,128.28 68.51,120.66
  Bottom w0.3: MDD4.3 122.91,87.8 122.91,114.14 110.22,126.83 69.58,126.83 J3.17 ; MotorController2.37 68.38,118.46 70.55,116.29 71.97,116.29 72.81,115.46 U7.4
SOFT_KILL: length 22.5
  Top w0.3: v1(69.28,80.47) 66.05,80.47 65.09,81.43 R5.1 ; v1(77.01,76.37) 78.06,76.37 80.81,79.12 Q1.2
  Bottom w0.3: v1(69.28,80.47) 69.28,80.32 70.69,80.32 71.24,80.87 72.48,80.87 74.88,78.46 74.92,78.46 v1(77.01,76.37)
STM1_RX: length 48.3
  Top w0.3: v1(99.79,38.23) 100.95,37.07 100.95,37.02 J1.7 MotorController1.27
  Bottom w0.3: v1(99.79,38.23) 99.79,61.41 96.36,64.84 OC2.6 91.65,64.63 91.32,64.63
STM1_TX: length 97.8
  Top w0.3: v1(120.46,41.47) 119.46,42.47 119.46,43.63 119.96,44.13 119.96,52.47 116.46,55.97 116.46,58.37 107.36,67.47 107.36,68.31 103.62,72.05 103.62,76.44 99.1,80.96 OC1.3 ; J1.10 MotorController1.30
  Bottom w0.3: MotorController1.30 98.38,25.31 104.8,31.73 118.32,31.73 119.08,32.49 119.08,37.69 120.46,39.07 v1(120.46,41.47)
STM2_RX: length 73.3
  Top w0.3: v1(83.68,93.35) 83.68,91.2 v1(82.39,89.92) ; v1(90.63,111.52) 90.63,111.47 86.98,107.82 v1(85.29,107.82) ; v1(85.44,106.2) 85.46,106.18 85.46,106.17 84.91,105.62 84.91,103.09 84.57,102.75 84.57,100.24 84.58,100.23 84.58,98.81 84.91,98.48 84.91,96.82 v1(82.86,94.77) ; 93.91,128.28 93.91,120.66
  Bottom w0.3: v1(82.39,89.92) 82.39,82.82 OC1.6 86.75,80.96 89.35,78.36 89.35,74.89 92.67,71.57 92.94,71.57 93.85,70.67 v1(96.61,70.67) ; MotorController2.27 90.63,117.26 v1(90.63,111.52) ; v1(85.29,107.82) 85.44,107.67 v1(85.44,106.2) ; v1(82.86,94.77) 83.68,93.95 v1(83.68,93.35)
STM2_TX: length 83
  Top w0.3: v1(87.6,112.71) 87.46,112.85 87.46,113.77 88.21,114.52 v1(88.26,114.52) ; v1(91.68,96.27) 91.68,95.85 90.8,94.97 v1(89.91,94.97) ; 86.29,128.28 86.29,120.66 ; OC2.3 84.65,64.84 85.23,65.42 v1(89.26,65.42)
  Bottom w0.3: v1(89.91,94.97) 90.1,94.97 97.01,88.07 97.01,71.19 97.36,70.84 97.36,68.48 95.06,66.17 89.86,66.17 89.26,65.57 v1(89.26,65.42) ; v1(89.91,94.97) 89.91,95.07 89.93,95.09 89.98,95.09 89.91,95.02 v1(89.91,94.97) ; v1(88.26,114.52) 86.16,116.62 MotorController2.30 ; v1(87.6,112.71) 87.66,112.77 87.66,111.77 90.31,109.12 90.31,106.07 89.93,105.68 89.93,97.16 90.82,96.27 v1(91.68,96.27)
SYNC_CLK_IN: length 85.4
  Top w0.3: v1(80.35,89.08) 81.12,89.84 v1(81.12,93.23) ; v1(81.88,76.57) 81.88,74.78 80.02,72.93 v1(80.02,71.61) ; 83.75,128.28 83.75,120.66 ; OC3.6 84.5,54.08 v1(82.06,54.08)
  Bottom w0.3: v1(80.02,71.61) 80.02,61.83 81.31,60.54 81.31,54.83 v1(82.06,54.08) ; v1(81.88,76.57) 81.89,76.58 81.89,87.54 v1(80.35,89.08) ; v1(81.12,93.23) 81.01,93.34 81.01,95.84 81.39,96.22 81.93,96.22 82.42,96.71 82.42,98.37 87.27,103.22 87.27,105.63 86.86,106.04 86.86,113.45 81.81,118.5 81.81,119.04 83.18,120.41 MotorController2.31
SYNC_CLK_OUT: length 31.1
  Top w0.3: J1.12 MotorController1.32 ; OC3.3 94.46,52.07 v1(94.46,44.77)
  Bottom w0.3: v1(94.46,44.77) 94.91,44.32 94.91,41.24 93.71,40.04 93.71,34.3 J1.12
Net-(D1-A): length 40.5
  Top w0.3: D1.2 66.89,40.37 66.89,46.27 61.91,51.24 61.91,53.54 57.6,57.85 53.93,57.85 51.84,59.94 51.84,64.04 48.21,67.67 R1.2
Net-(D2-A): length 3.6
  Bottom w0.3: R2.2 66.35,30.65 66.35,32.03 v1(67.89,33.57)
Net-(J1-Pin_18): length 12.5
  Top w0.3: J1.18 MotorController1.38
  Bottom w0.3: v1(80.26,36.47) 77.1,33.31 J1.18
Net-(J2-Pin_1): length 12.8
  Top w0.3: J2.1 MotorController1.1 120.28,11.79 121.56,13.07 JP1.1
Net-(J3-Pin_18): length 10.6
  Top w0.3: 65.97,128.28 65.97,120.66 ; MotorController2.38 65.86,120.39 JP3.2
Net-(J4-Pin_1): length 18.3
  Top w0.3: 109.15,97.8 109.15,105.42 ; JP4.1 117.23,107.85 v1(112.34,107.85) ; MotorController2.1 110.25,106.4 v1(110.29,106.4)
  Bottom w0.3: v1(112.34,107.85) 111.74,107.85 v1(110.29,106.4)
Net-(J5-Pin_1): length 25.1
  Top w0.3: v1(64.79,88.5) 63.26,86.97 R6.1 ; v1(76.66,88.57) 77.86,87.37 v1(78.31,87.37) ; Q1.3 v1(79.86,84.17)
  Bottom w0.3: v1(76.66,88.57) 71.56,88.57 J5.1 67.46,91.17 v1(64.79,88.5) ; v1(79.86,84.17) 79.86,85.82 v1(78.31,87.37)
Net-(OC1-Pad2): length 4.7
  Bottom w0.3: 92.86,78.42 95.86,78.42 v1(96.03,78.26) ; 92.86,78.42 92.42,78.42 ; 92.86,78.42 OC1.2 91.86,78.42
Net-(OC2-Pad2): length 21.2
  Bottom w0.3: v1(96.71,63.57) 96.71,60.77 94.86,58.92 89.86,58.92 87.26,61.52 87.26,64.17 84.24,67.19 OC2.2
Net-(OC3-Pad2): length 4.3
  Bottom w0.3: OC3.2 96.52,51.71 96.49,51.68 v1(96.46,51.68)
Net-(U2-+vin): length 11.1
  Bottom w0.3: C5.1 108.3,42.73 U2.2 107.86,45.71 108.86,46.71 v1(108.86,49.42)
Net-(U2-Cs): length 4.5
  Top w0.3: U2.7 123.1,41.67 122.17,40.74 v1(122.17,39.05)
unconnected-(J1-Pin_1-Pad1): length 7.6
  Top w0.3: J1.1 MotorController1.21
unconnected-(J1-Pin_2-Pad2): length 7.6
  Top w0.3: J1.2 MotorController1.22
unconnected-(J1-Pin_3-Pad3): length 7.6
  Top w0.3: J1.3 MotorController1.23
unconnected-(J1-Pin_4-Pad4): length 7.6
  Top w0.3: J1.4 MotorController1.24
unconnected-(J1-Pin_5-Pad5): length 7.6
  Top w0.3: J1.5 MotorController1.25
unconnected-(J1-Pin_6-Pad6): length 7.6
  Top w0.3: J1.6 MotorController1.26
unconnected-(J1-Pin_8-Pad8): length 7.6
  Top w0.3: J1.8 MotorController1.28
unconnected-(J1-Pin_9-Pad9): length 7.6
  Top w0.3: J1.9 MotorController1.29
unconnected-(J1-Pin_13-Pad13): length 7.6
  Top w0.3: J1.13 MotorController1.33
unconnected-(J1-Pin_14-Pad14): length 7.6
  Top w0.3: J1.14 MotorController1.34
unconnected-(J1-Pin_15-Pad15): length 7.6
  Top w0.3: J1.15 MotorController1.35
unconnected-(J1-Pin_16-Pad16): length 7.6
  Top w0.3: J1.16 MotorController1.36
unconnected-(J1-Pin_17-Pad17): length 7.6
  Top w0.3: J1.17 MotorController1.37
unconnected-(J1-Pin_20-Pad20): length 7.6
  Top w0.3: J1.20 MotorController1.40
unconnected-(J2-Pin_5-Pad5): length 7.6
  Top w0.3: MotorController1.5 J2.5
unconnected-(J2-Pin_6-Pad6): length 7.6
  Top w0.3: MotorController1.6 J2.6
unconnected-(J2-Pin_7-Pad7): length 7.6
  Top w0.3: MotorController1.7 J2.7
unconnected-(J2-Pin_8-Pad8): length 7.6
  Top w0.3: MotorController1.8 J2.8
unconnected-(J2-Pin_9-Pad9): length 7.6
  Top w0.3: MotorController1.9 J2.9
unconnected-(J2-Pin_10-Pad10): length 7.6
  Top w0.3: MotorController1.10 J2.10
unconnected-(J2-Pin_11-Pad11): length 7.6
  Top w0.3: MotorController1.11 J2.11
unconnected-(J2-Pin_12-Pad12): length 7.6
  Top w0.3: MotorController1.12 J2.12
unconnected-(J2-Pin_13-Pad13): length 7.6
  Top w0.3: MotorController1.13 J2.13
unconnected-(J2-Pin_14-Pad14): length 7.6
  Top w0.3: MotorController1.14 J2.14
unconnected-(J2-Pin_15-Pad15): length 7.6
  Top w0.3: MotorController1.15 J2.15
unconnected-(J2-Pin_16-Pad16): length 7.6
  Top w0.3: MotorController1.16 J2.16
unconnected-(J2-Pin_17-Pad17): length 7.6
  Top w0.3: MotorController1.17 J2.17
unconnected-(J2-Pin_18-Pad18): length 7.6
  Top w0.3: MotorController1.18 J2.18
unconnected-(J2-Pin_19-Pad19): length 7.6
  Top w0.3: MotorController1.19 J2.19
unconnected-(J2-Pin_20-Pad20): length 7.6
  Top w0.3: MotorController1.20 J2.20
unconnected-(J3-Pin_1-Pad1): length 7.6
  Top w0.3: 109.15,128.28 109.15,120.66
unconnected-(J3-Pin_2-Pad2): length 7.6
  Top w0.3: 106.61,128.28 106.61,120.66
unconnected-(J3-Pin_3-Pad3): length 7.6
  Top w0.3: 104.07,128.28 104.07,120.66
unconnected-(J3-Pin_4-Pad4): length 7.6
  Top w0.3: 101.53,128.28 101.53,120.66
unconnected-(J3-Pin_8-Pad8): length 7.6
  Top w0.3: 91.37,128.28 91.37,120.66
unconnected-(J3-Pin_9-Pad9): length 7.6
  Top w0.3: 88.83,128.28 88.83,120.66
unconnected-(J3-Pin_16-Pad16): length 7.6
  Top w0.3: 71.05,128.28 71.05,120.66
unconnected-(J4-Pin_3-Pad3): length 7.6
  Top w0.3: 104.07,97.8 104.07,105.42
unconnected-(J4-Pin_4-Pad4): length 7.6
  Top w0.3: 101.53,97.8 101.53,105.42
unconnected-(J4-Pin_5-Pad5): length 7.6
  Top w0.3: 98.99,97.8 98.99,105.42
unconnected-(J4-Pin_6-Pad6): length 7.6
  Top w0.3: 96.45,97.8 96.45,105.42
unconnected-(J4-Pin_7-Pad7): length 7.6
  Top w0.3: 93.91,97.8 93.91,105.42
unconnected-(J4-Pin_12-Pad12): length 7.6
  Top w0.3: 81.21,97.8 81.21,105.42
unconnected-(J4-Pin_16-Pad16): length 7.6
  Top w0.3: 71.05,97.8 71.05,105.42
unconnected-(J4-Pin_17-Pad17): length 7.6
  Top w0.3: 68.51,97.8 68.51,105.42
unconnected-(J4-Pin_18-Pad18): length 7.6
  Top w0.3: 65.97,97.8 65.97,105.42
unconnected-(J4-Pin_19-Pad19): length 7.6
  Top w0.3: 63.43,97.8 63.43,105.42
unconnected-(J4-Pin_20-Pad20): length 7.6
  Top w0.3: 60.89,97.8 60.89,105.42
unconnected-(U3-INT-Pad9): length 21.3
  Bottom w0.3: REF**.1 103.75,73.13 111.14,73.13 U3.9

## Copper pours and planes (outline as drawn; the poured copper is in the pictures)
12V on Top, Bottom: 52.86,80.17 52.86,29.17 59.86,29.17 59.86,80.17
12V on Bottom: 12.86,12.17 12.86,0.17 41.86,0.17 41.86,37.17 60.86,37.17 60.86,44.17 41.86,44.17 41.86,61.17 32.86,61.17 32.86,7.17 19.86,7.17 19.86,12.17
12V_ARM on Top, Bottom: 25.86,31.17 26.86,31.17 26.86,45.17 28.86,45.17 28.86,31.17 31.86,31.17 31.86,18.17 25.86,18.17
24V on Top, Bottom: 21.86,118.17 21.86,93.17 11.86,93.17 11.86,98.17 0.76,98.17 0.76,118.17
24V on Top, Bottom: 32.11,80.67 32.11,87.17 15.86,87.17 15.86,102.17 21.86,102.17 21.86,94.17 38.86,94.17 38.86,81.17 32.11,81.15
24V on Top, Bottom: 31.86,83.17 31.86,63.17 38.86,63.17 38.86,83.17
24V_ARM on Top, Bottom: 22.86,102.17 22.86,84.17 52.86,84.17 53.3,96.33 40.06,96.33 40.06,102.17
24V_BASE on Top, Bottom: 30.86,70.17 30.86,61.17 12.86,61.17 12.86,70.17
24V_BASE on Top, Bottom: 12.64,83.17 12.64,18.17 18.86,18.17 18.86,83.17
24V_BATTERY on Top, Bottom: 14.86,127.45 14.91,117.48 22.92,117.51 37.07,117.51 35.18,117.25 34.97,127.45
GND on Top: 0.67,118.92 13.77,118.92 13.77,128.09 35.61,128.09 35.61,102.92 40.61,102.92 40.61,96.92 54.61,96.92 54.61,81.92 20.61,81.92 20.61,-0.08 63.36,0.42 63.11,36.92 94.86,36.92 94.86,55.92 87.61,55.92 87.61,87.92 93.61,87.92 93.61,90.67 107.86,90.67 107.86,79.67 125.61,79.67 125.61,130.92 0.67,130.92
GND on Top: 1.49,97.17 10.99,97.17 11.11,82.67 12.13,82.67 12.11,72.42 12.11,67.17 12.23,0.67 1.49,0.67
GND on Top, Bottom: 23.26,118.17 40.86,118.17 40.86,103.67 23.26,103.67
GND on Top, Bottom: 10.86,17.17 21.86,17.17 21.86,11.67 10.86,11.67
GND on Top, Bottom: 9.86,93.17 21.86,93.17 21.86,84.17 31.07,84.17 31.07,75.26 19.86,75.26 19.86,84.17 9.86,84.17
GND on Top, Bottom: 92.86,53.17 111.86,53.17 111.86,36.87 92.86,36.87
GND on Bottom: 0.99,119.67 0.99,130.92 125.86,131.42 125.86,79.67 108.11,79.67 108.11,90.67 87.86,90.42 87.86,55.92 94.86,55.92 94.86,36.92 63.11,36.92 63.36,0.42 43.86,0.17 43.86,36.67 52.86,36.67 52.86,28.67 61.53,28.67 61.53,80.84 52.06,80.84 52.06,43.57 44.18,43.57 44.18,56.34 32.86,56.34 32.86,46.67 26.86,46.67 26.86,32.67 25.86,32.67 25.86,16.67 32.86,16.67 32.86,5.37 21.86,5.37 21.86,14.67 12.86,14.67 12.86,0.67 1.36,0.67 1.36,96.67 11.01,96.67 11.01,82.67 12.11,82.67 12.11,17.67 21.86,17.67 21.86,61.56 41.86,61.64 41.86,81.92 54.86,81.92 54.86,96.67 42.86,96.67 42.86,121.67 37.86,121.67 37.86,127.67 13.86,127.67 13.86,119.67
GND1 on Top, Bottom: 89.86,85.17 89.86,58.17 96.86,58.17 96.86,54.17 115.86,54.17 115.86,34.17 63.86,35.17 63.86,0.17 124.86,0.17 124.86,78.17 99.86,78.17 99.86,85.17

## Text on the board
F.Silkscreen: GND
